# Altium PCB 256sog - killed.PcbDoc (part 1 of 4)
Units mm, origin at the board's own origin, x right, y up, seen from the top; angles counter-clockwise.
Board outline 297 x 210 mm, 4 copper layers (Top Layer, Power Plane, Ground Plane, Bottom Layer); 217 components, 330 nets, 1251 pads, 678 vias.
Unrouted connection lines stored in the file: 1.
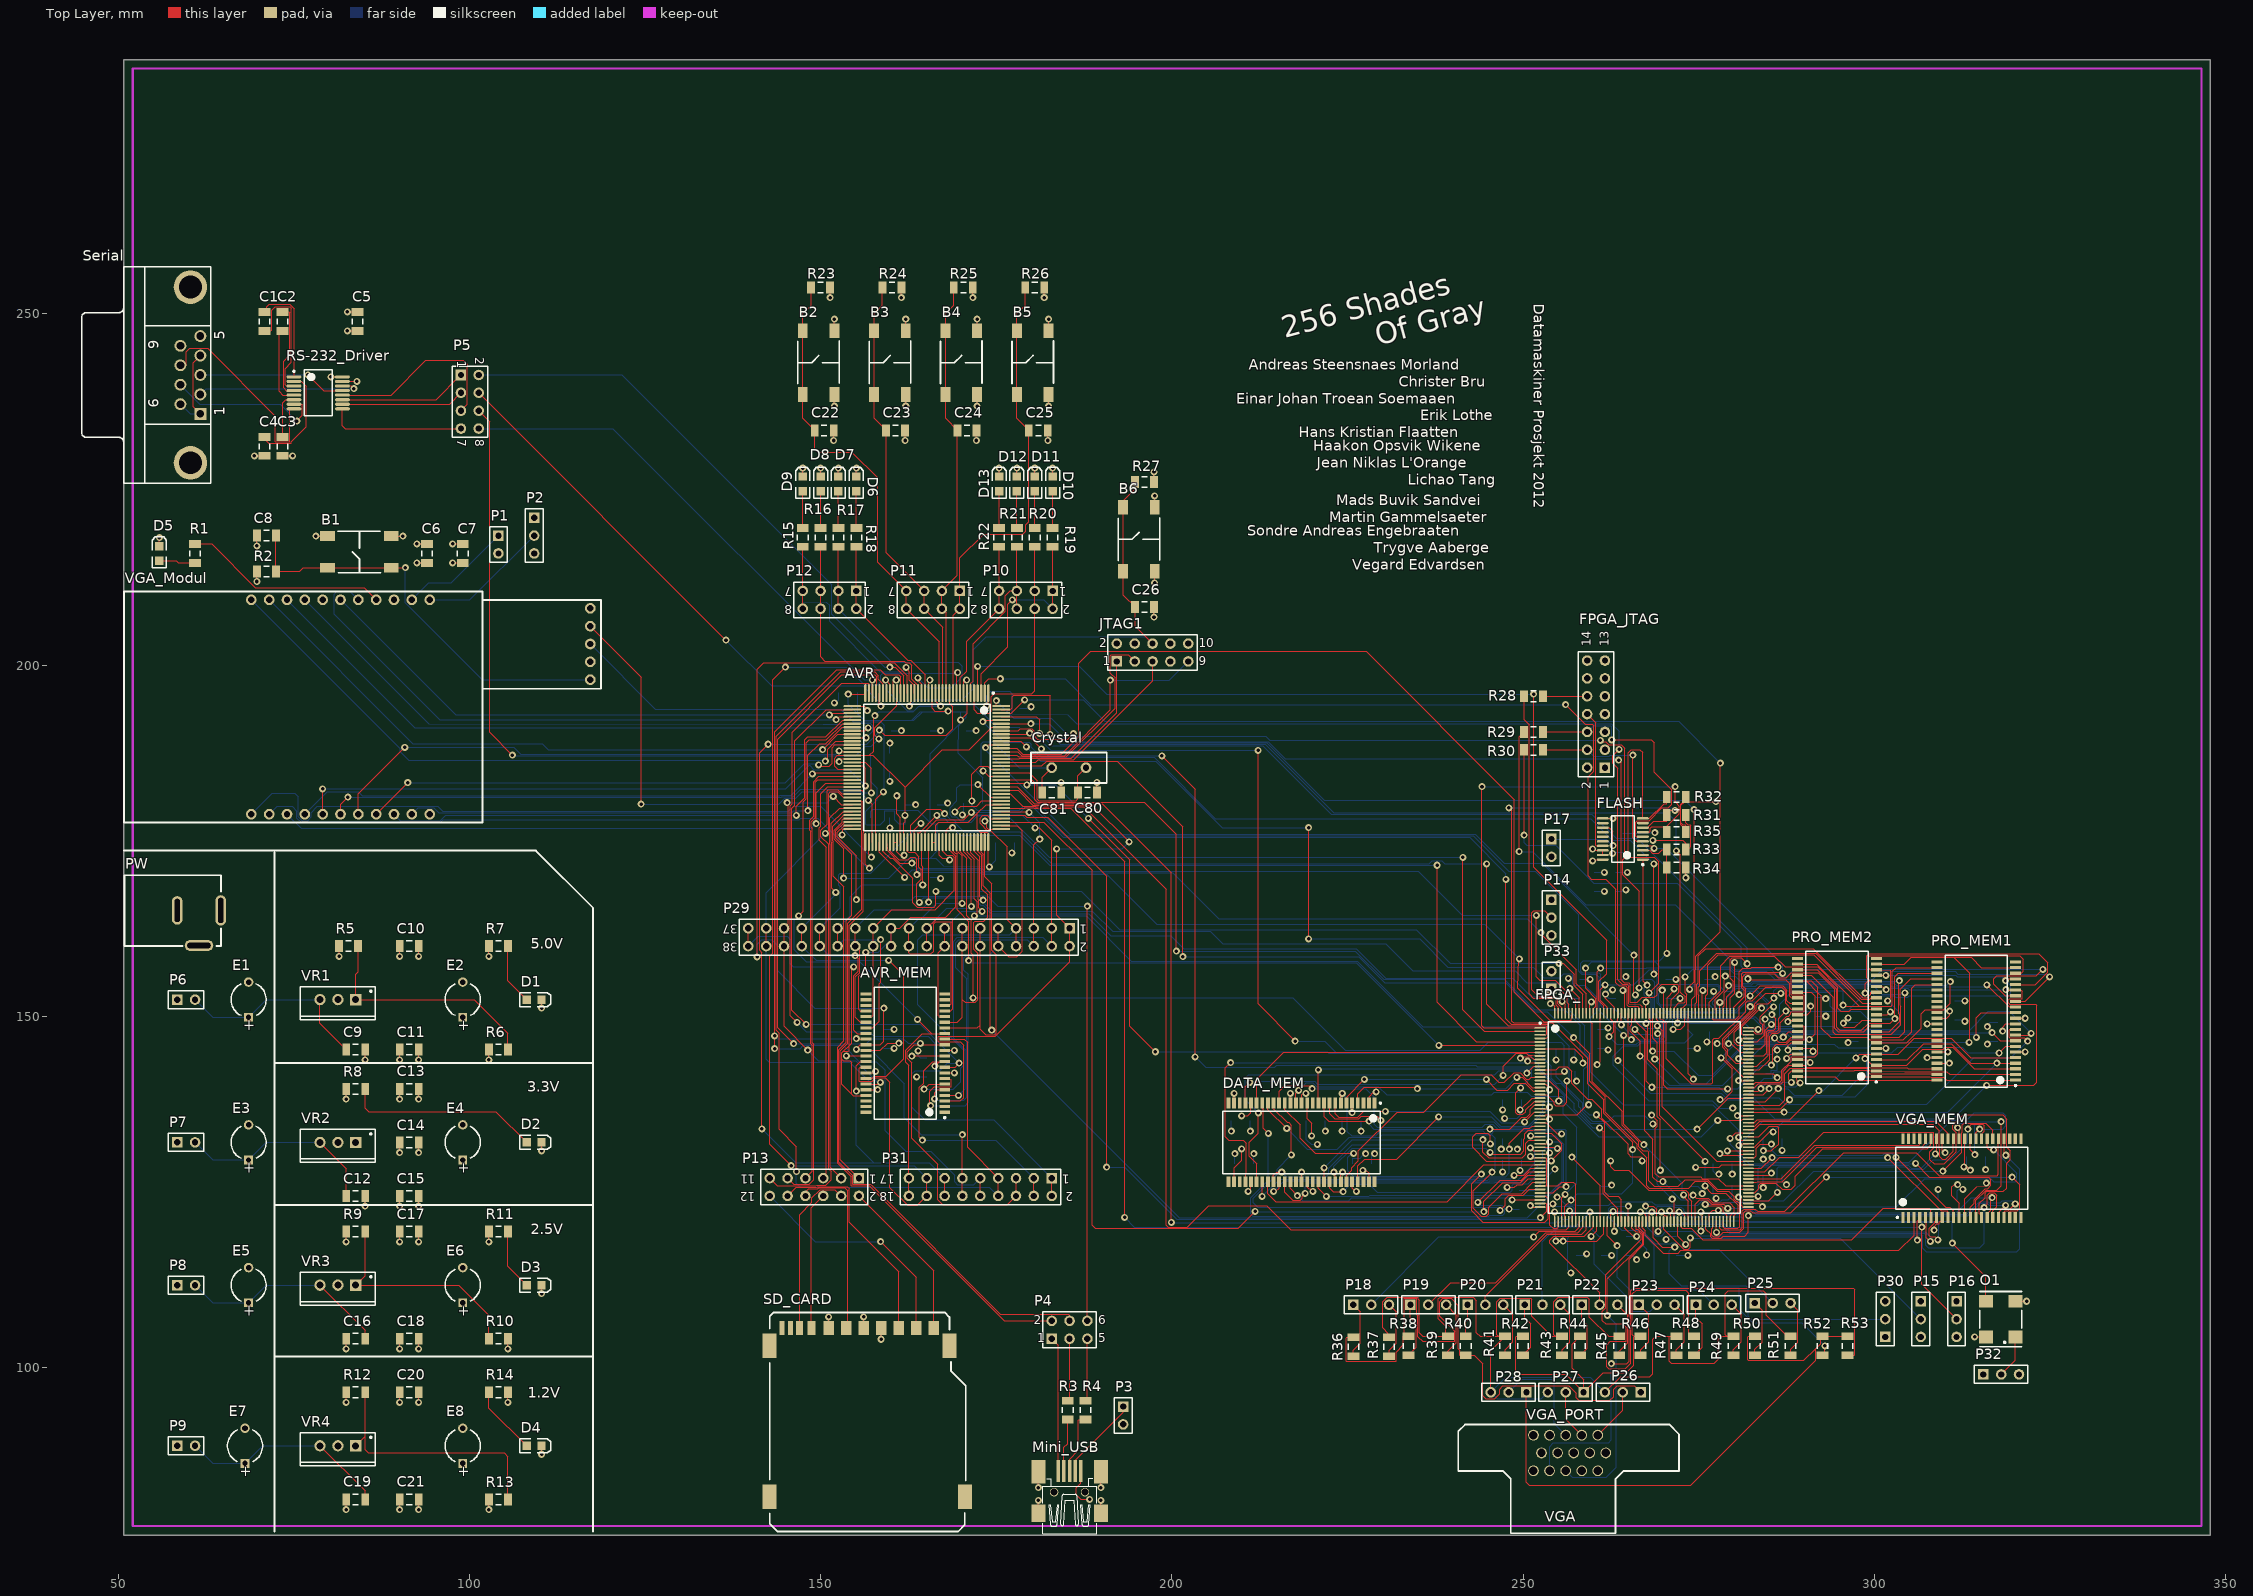
[diagram p0: Top Layer view]
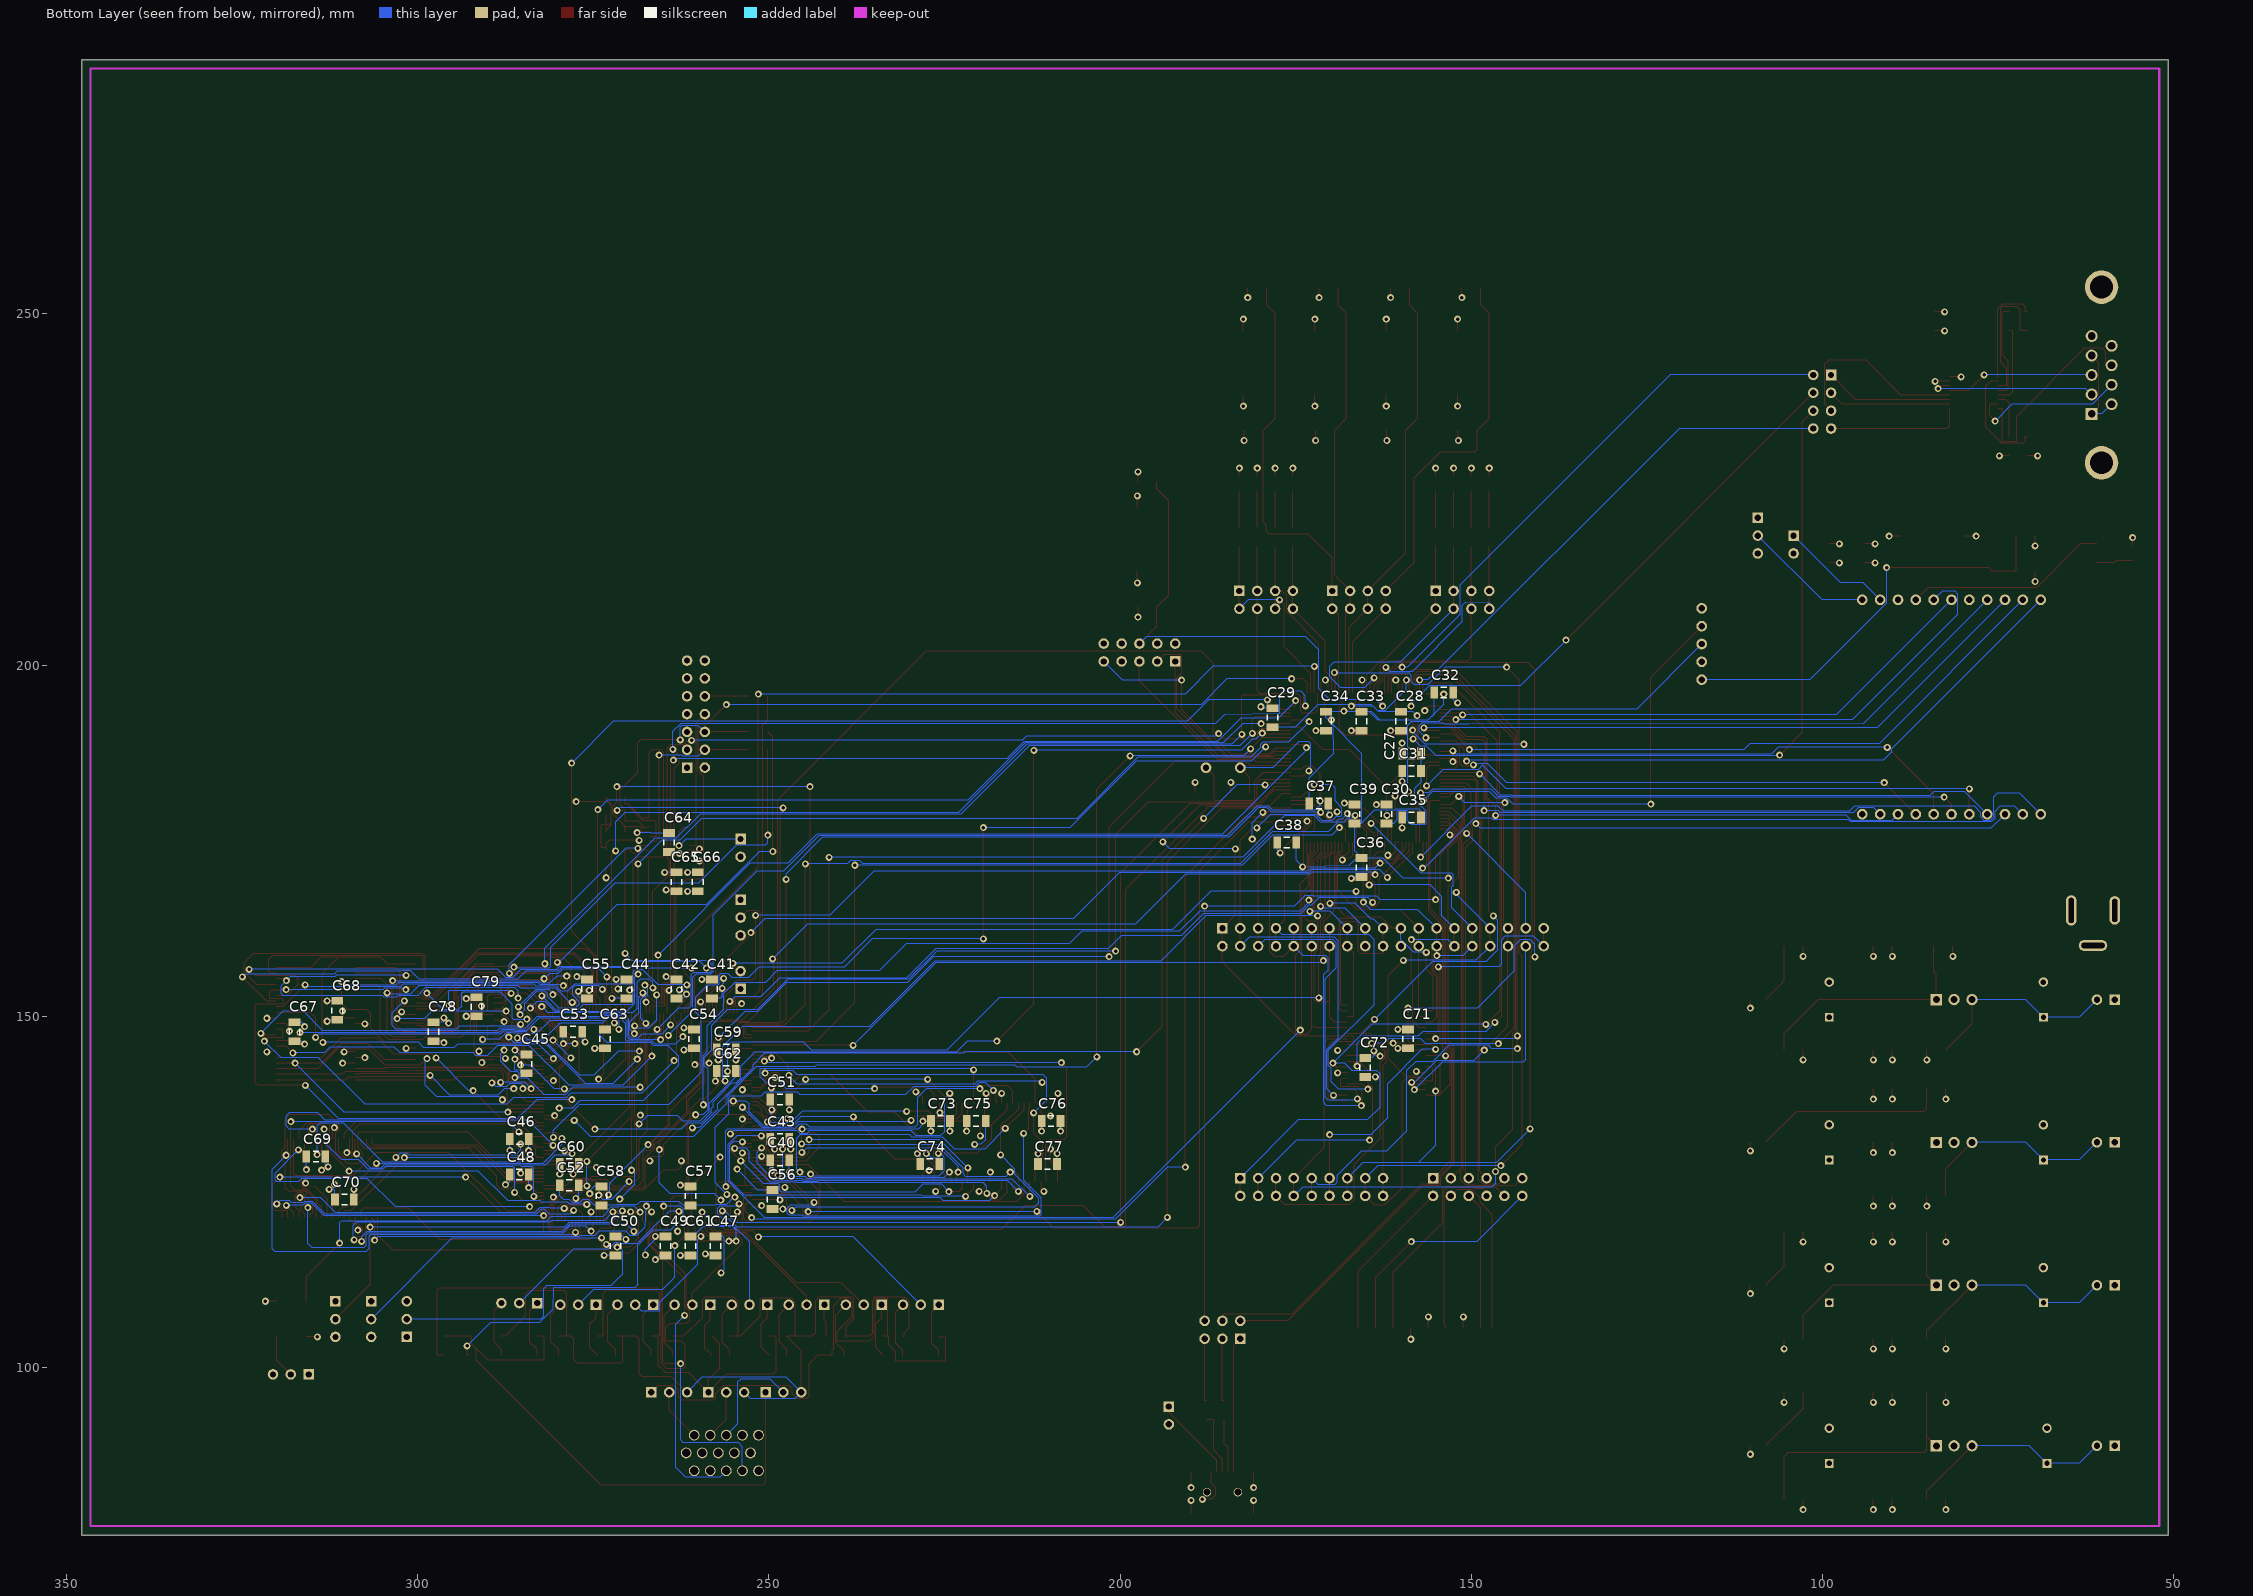
[diagram p1: Bottom Layer view, seen from below]
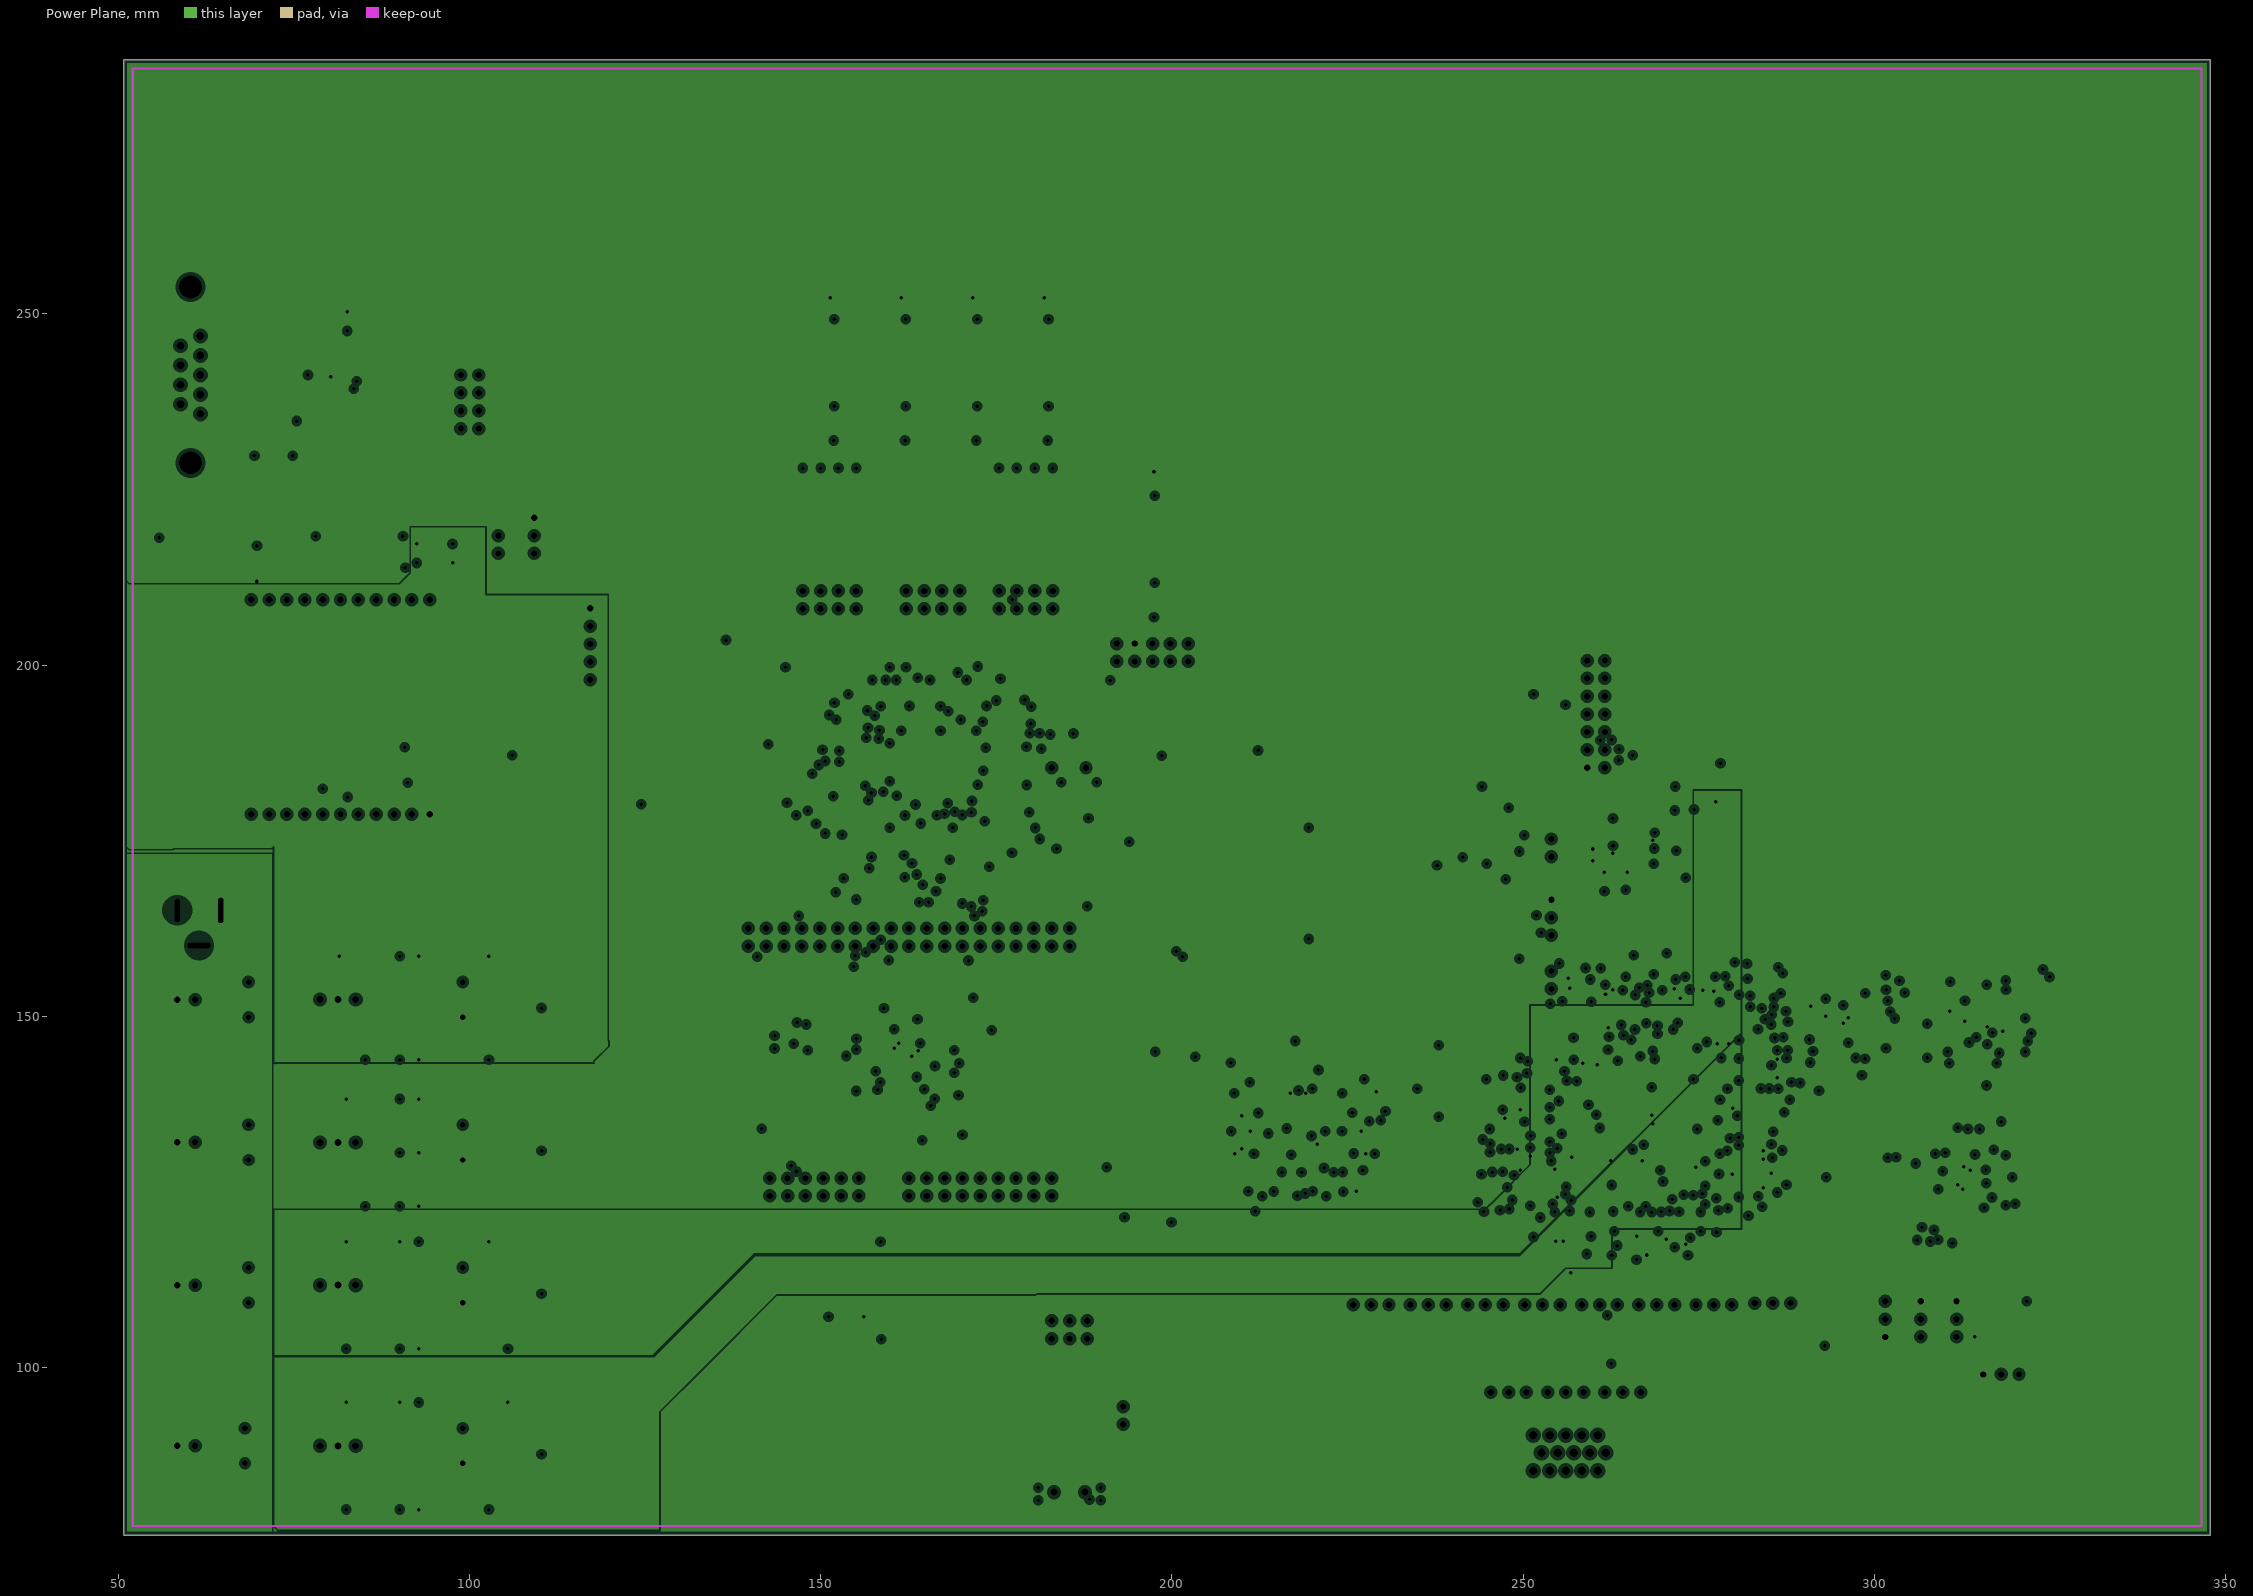
[diagram p2: Power Plane, clearances drawn from the general rule]